# KiCad board FullsizeKeyboardPCB.kicad_pcb
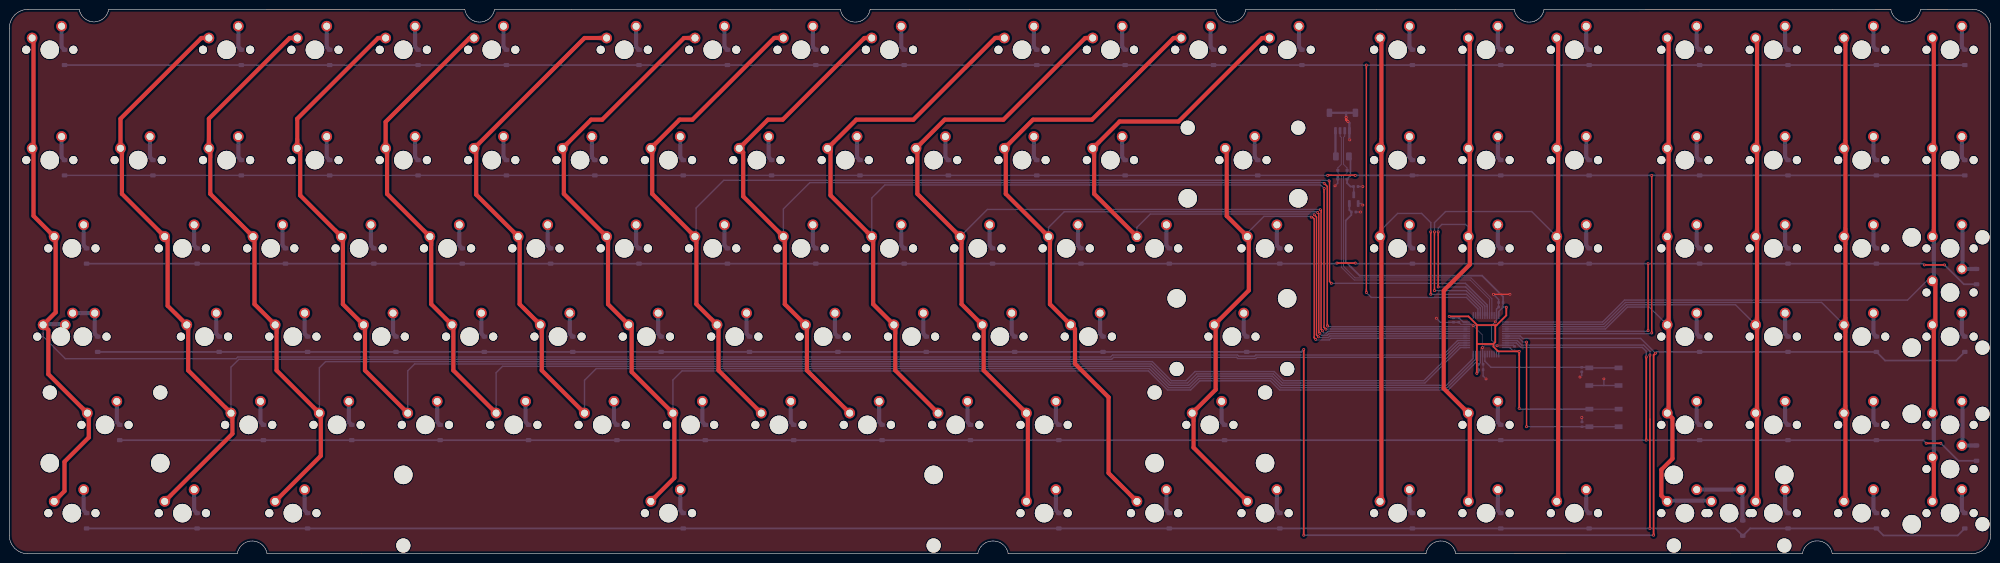
[diagram p0: board, top side]
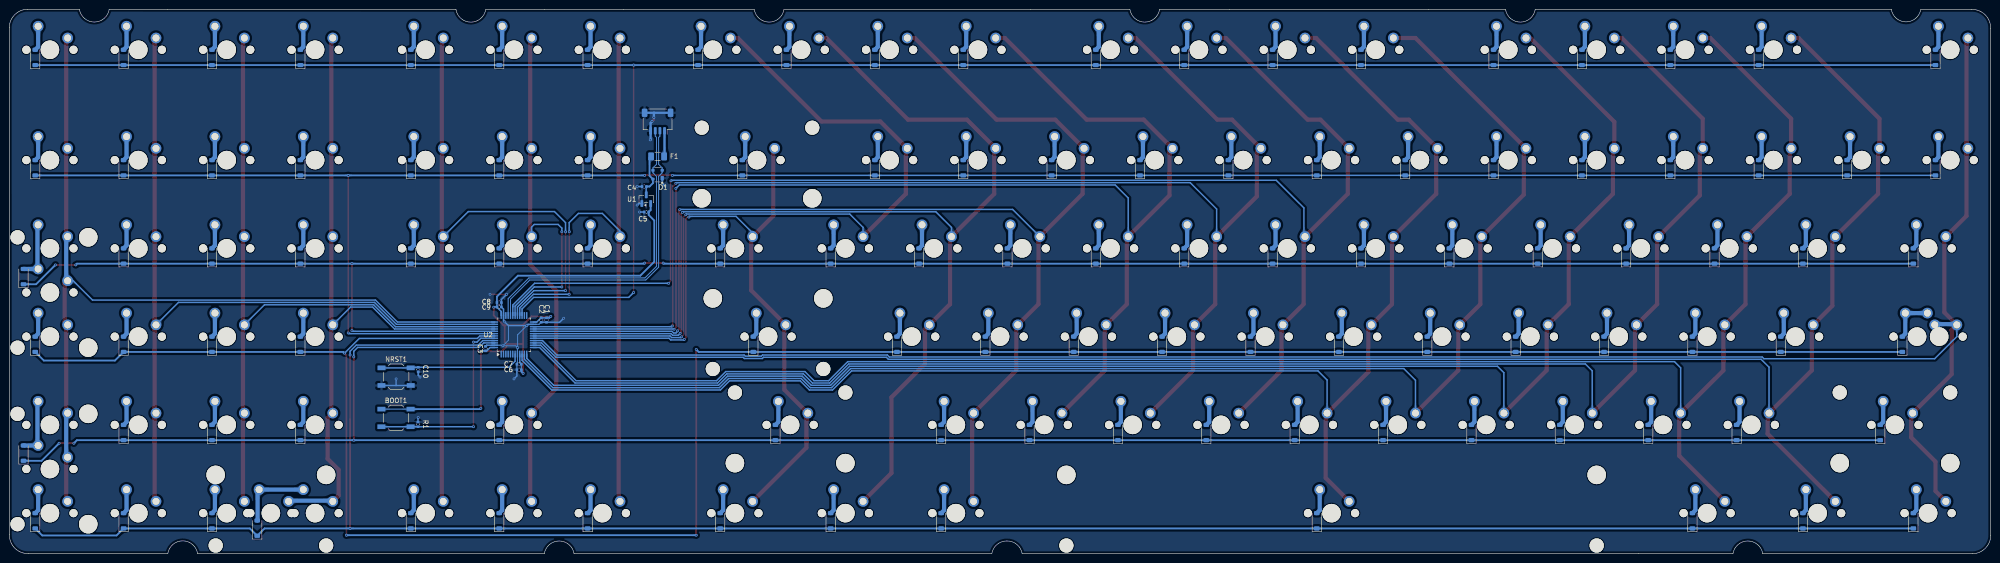
[diagram p1: board, bottom side, seen from below]

Outline 427.07 x 117.52 mm; copper layers: Top, Bottom. Coordinates in mm from the lower left corner of the outline.
Outline path: 0,4 0.02,113.4 arc(1.19,116.31) 4.11,117.48 15.08,117.49 ; 3.97,0 arc(1.16,1.18) 0,4 ; 15.08,117.49 arc(18.27,114.79) 21.43,117.5 98.17,117.49 arc(101.38,114.74) 104.58,117.49 121.25,117.48 164.15,117.49 179.14,117.49 arc(182.34,114.74) 185.54,117.49 206.97,117.48 260.1,117.49 arc(263.3,114.74) 266.5,117.49 294.65,117.49 311.75,117.48 324.38,117.49 arc(327.59,114.74) 330.8,117.48 392.91,117.5 405.53,117.51 arc(408.74,114.76) 411.96,117.5 423.07,117.52 arc(425.9,116.34) 427.07,113.52 427.05,4.12 arc(425.88,1.2) 422.96,0.03 392.91,0.03 arc(389.7,2.78) 386.48,0.03 311.76,0 arc(308.54,2.75) 305.33,0 215.31,0 arc(214.21,1.97) 212.1,2.75 ; 3.97,0 49.14,0 arc(52.35,2.75) 55.56,0 75.99,0 208.76,0 arc(209.9,2.01) 212.1,2.75
Stack: Top 0.035mm / dielectric 1.51mm FR4 er 4.5 / Bottom 0.035mm

## Placement (name value [footprint] x y rotation side)
BOOT1  SW_BOOT0  [SW_SPST_TL3342]  343.72 29.31 180 bottom
C1  4.7uF  [C_0402_1005Metric]  311.28 50.44 270 bottom
C2  100nF  [C_0402_1005Metric]  312.42 50.44 270 bottom
C3  100nF  [C_0402_1005Metric]  324.43 44.28 90 bottom
C4  1uF  [C_0402_1005Metric]  290.22 79.25 0 bottom
C5  1uF  [C_0402_1005Metric]  289.74 73.75 180 bottom
C6  1uF  [C_0402_1005Metric]  317.18 39.72 0 bottom
C7  100nF  [C_0402_1005Metric]  317.18 40.91 0 bottom
C8  4.7uF  [C_0402_1005Metric]  321.48 54.21 180 bottom
C9  100nF  [C_0402_1005Metric]  321.48 53.26 180 bottom
C10  100nF  [C_0402_1005Metric]  338.92 39.76 270 bottom
D1  PRTR5V0U2X  [SOT-143]  287.34 81.8 0 bottom
D2  D_Small  [D_SOD-123]  11.91 107.12 90 bottom
D3  D_Small  [D_SOD-123]  50.01 107.12 90 bottom
D4  D_Small  [D_SOD-123]  69.06 107.12 90 bottom
D5  D_Small  [D_SOD-123]  88.11 107.12 90 bottom
D6  D_Small  [D_SOD-123]  107.16 107.12 90 bottom
D7  D_Small  [D_SOD-123]  135.73 107.12 90 bottom
D8  D_Small  [D_SOD-123]  154.78 107.12 90 bottom
D9  D_Small  [D_SOD-123]  173.83 107.12 90 bottom
D10  D_Small  [D_SOD-123]  192.88 107.12 90 bottom
D11  D_Small  [D_SOD-123]  221.46 107.12 90 bottom
D12  D_Small  [D_SOD-123]  240.51 107.12 90 bottom
D13  D_Small  [D_SOD-123]  259.56 107.12 90 bottom
D14  D_Small  [D_SOD-123]  278.61 107.12 90 bottom
D15  D_Small  [D_SOD-123]  302.42 107.12 90 bottom
D16  D_Small  [D_SOD-123]  321.47 107.12 90 bottom
D17  D_Small  [D_SOD-123]  340.52 107.12 90 bottom
D18  D_Small  [D_SOD-123]  364.33 107.12 90 bottom
D19  D_Small  [D_SOD-123]  383.38 107.12 90 bottom
D20  D_Small  [D_SOD-123]  402.43 107.12 90 bottom
D21  D_Small  [D_SOD-123]  421.48 107.12 90 bottom
D22  D_Small  [D_SOD-123]  11.91 83.31 90 bottom
D23  D_Small  [D_SOD-123]  30.96 83.31 90 bottom
D24  D_Small  [D_SOD-123]  50.01 83.31 90 bottom
D25  D_Small  [D_SOD-123]  69.06 83.31 90 bottom
D26  D_Small  [D_SOD-123]  88.11 83.31 90 bottom
D27  D_Small  [D_SOD-123]  107.16 83.31 90 bottom
D28  D_Small  [D_SOD-123]  126.21 83.31 90 bottom
D29  D_Small  [D_SOD-123]  145.26 83.31 90 bottom
D30  D_Small  [D_SOD-123]  164.31 83.31 90 bottom
D31  D_Small  [D_SOD-123]  183.36 83.31 90 bottom
D32  D_Small  [D_SOD-123]  202.41 83.31 90 bottom
D33  D_Small  [D_SOD-123]  221.46 83.31 90 bottom
D34  D_Small  [D_SOD-123]  240.51 83.31 90 bottom
D35  D_Small  [D_SOD-123]  269.08 83.31 90 bottom
D36  D_Small  [D_SOD-123]  302.42 83.31 90 bottom
D37  D_Small  [D_SOD-123]  321.47 83.31 90 bottom
D38  D_Small  [D_SOD-123]  340.52 83.31 90 bottom
D39  D_Small  [D_SOD-123]  364.33 83.31 90 bottom
D40  D_Small  [D_SOD-123]  383.38 83.31 90 bottom
D41  D_Small  [D_SOD-123]  402.43 83.31 90 bottom
D42  D_Small  [D_SOD-123]  421.48 83.31 90 bottom
D43  D_Small  [D_SOD-123]  16.67 64.26 90 bottom
D44  D_Small  [D_SOD-123]  40.48 64.26 90 bottom
D45  D_Small  [D_SOD-123]  59.53 64.26 90 bottom
D46  D_Small  [D_SOD-123]  78.58 64.26 90 bottom
D47  D_Small  [D_SOD-123]  97.63 64.26 90 bottom
D48  D_Small  [D_SOD-123]  116.68 64.26 90 bottom
D49  D_Small  [D_SOD-123]  135.73 64.26 90 bottom
D50  D_Small  [D_SOD-123]  154.78 64.26 90 bottom
D51  D_Small  [D_SOD-123]  173.83 64.26 90 bottom
D52  D_Small  [D_SOD-123]  192.88 64.26 90 bottom
D53  D_Small  [D_SOD-123]  211.93 64.26 90 bottom
D54  D_Small  [D_SOD-123]  230.98 64.26 90 bottom
D55  D_Small  [D_SOD-123]  250.03 64.26 90 bottom
D56  D_Small  [D_SOD-123]  273.84 64.26 90 bottom
D57  D_Small  [D_SOD-123]  302.42 64.26 90 bottom
D58  D_Small  [D_SOD-123]  321.47 64.26 90 bottom
D59  D_Small  [D_SOD-123]  340.52 64.26 90 bottom
D60  D_Small  [D_SOD-123]  364.33 64.26 90 bottom
D61  D_Small  [D_SOD-123]  383.38 64.26 90 bottom
D62  D_Small  [D_SOD-123]  402.43 64.26 90 bottom
D64  D_Small  [D_SOD-123]  424.01 59.81 90 bottom
D65  D_Small  [D_SOD-123]  19.05 45.21 90 bottom
D67  D_Small  [D_SOD-123]  45.24 45.21 90 bottom
D68  D_Small  [D_SOD-123]  64.29 45.21 90 bottom
D69  D_Small  [D_SOD-123]  83.34 45.21 90 bottom
D70  D_Small  [D_SOD-123]  102.39 45.21 90 bottom
D71  D_Small  [D_SOD-123]  121.44 45.21 90 bottom
D72  D_Small  [D_SOD-123]  140.49 45.21 90 bottom
D73  D_Small  [D_SOD-123]  159.54 45.21 90 bottom
D74  D_Small  [D_SOD-123]  178.59 45.21 90 bottom
D75  D_Small  [D_SOD-123]  197.64 45.21 90 bottom
D76  D_Small  [D_SOD-123]  216.69 45.21 90 bottom
D77  D_Small  [D_SOD-123]  235.74 45.21 90 bottom
D78  D_Small  [D_SOD-123]  266.7 45.21 90 bottom
D79  D_Small  [D_SOD-123]  364.33 45.21 90 bottom
D80  D_Small  [D_SOD-123]  383.38 45.21 90 bottom
D81  D_Small  [D_SOD-123]  402.43 45.21 90 bottom
D82  D_Small  [D_SOD-123]  421.48 45.21 90 bottom
D83  D_Small  [D_SOD-123]  23.81 26.16 90 bottom
D84  D_Small  [D_SOD-123]  54.77 26.16 90 bottom
D85  D_Small  [D_SOD-123]  73.82 26.16 90 bottom
D86  D_Small  [D_SOD-123]  92.87 26.16 90 bottom
D87  D_Small  [D_SOD-123]  111.92 26.16 90 bottom
D88  D_Small  [D_SOD-123]  130.97 26.16 90 bottom
D89  D_Small  [D_SOD-123]  150.02 26.16 90 bottom
D90  D_Small  [D_SOD-123]  169.07 26.16 90 bottom
D91  D_Small  [D_SOD-123]  188.12 26.16 90 bottom
D92  D_Small  [D_SOD-123]  207.17 26.16 90 bottom
D93  D_Small  [D_SOD-123]  226.22 26.16 90 bottom
D94  D_Small  [D_SOD-123]  261.94 26.16 90 bottom
D95  D_Small  [D_SOD-123]  321.47 26.16 90 bottom
D96  D_Small  [D_SOD-123]  364.33 26.16 90 bottom
D97  D_Small  [D_SOD-123]  383.38 26.16 90 bottom
D98  D_Small  [D_SOD-123]  402.43 26.16 90 bottom
D100  D_Small  [D_SOD-123]  424.01 21.71 90 bottom
D101  D_Small  [D_SOD-123]  16.67 7.11 90 bottom
D102  D_Small  [D_SOD-123]  40.48 7.11 90 bottom
D103  D_Small  [D_SOD-123]  64.29 7.11 90 bottom
D104  D_Small  [D_SOD-123]  145.26 7.11 90 bottom
D105  D_Small  [D_SOD-123]  226.22 7.11 90 bottom
D106  D_Small  [D_SOD-123]  250.03 7.11 90 bottom
D107  D_Small  [D_SOD-123]  273.84 7.11 90 bottom
D108  D_Small  [D_SOD-123]  302.42 7.11 90 bottom
D109  D_Small  [D_SOD-123]  321.47 7.11 90 bottom
D110  D_Small  [D_SOD-123]  340.52 7.11 90 bottom
D112  D_Small  [D_SOD-123]  402.43 7.11 90 bottom
D113  D_Small  [D_SOD-123]  421.48 7.11 90 bottom
D114  D_Small  [D_SOD-123]  373.63 5.52 90 bottom
D115  D_Small  [D_SOD-123]  383.38 7.11 90 bottom
F1  500mA  [Fuse_1206_3216Metric]  287.34 85.75 0 bottom
J1  SM04B-SRSS-TB  [JST_SH_SM04B-SRSS-TB_1x04-1MP_P1.00mm_Horizontal]  287.34 93.3 0 bottom
MX1  MX_SW_solder  [SW_MX_1u]  8.73 108.77 0 top
MX2  MX_SW_solder  [SW_MX_1u]  46.83 108.77 0 top
MX3  MX_SW_solder  [SW_MX_1u]  65.88 108.77 0 top
MX4  MX_SW_solder  [SW_MX_1u]  84.93 108.77 0 top
MX5  MX_SW_solder  [SW_MX_1u]  103.98 108.77 0 top
MX6  MX_SW_solder  [SW_MX_1u]  132.56 108.77 0 top
MX7  MX_SW_solder  [SW_MX_1u]  151.61 108.77 0 top
MX8  MX_SW_solder  [SW_MX_1u]  170.66 108.77 0 top
MX9  MX_SW_solder  [SW_MX_1u]  189.71 108.77 0 top
MX10  MX_SW_solder  [SW_MX_1u]  218.28 108.77 0 top
MX11  MX_SW_solder  [SW_MX_1u]  237.33 108.77 0 top
MX12  MX_SW_solder  [SW_MX_1u]  256.38 108.77 0 top
MX13  MX_SW_solder  [SW_MX_1u]  275.43 108.77 0 top
MX14  MX_SW_solder  [SW_MX_1u]  299.24 108.77 0 top
MX15  MX_SW_solder  [SW_MX_1u]  318.29 108.77 0 top
MX16  MX_SW_solder  [SW_MX_1u]  337.34 108.77 0 top
MX17  MX_SW_solder  [SW_MX_1u]  361.16 108.77 0 top
MX18  MX_SW_solder  [SW_MX_1u]  380.21 108.77 0 top
MX19  MX_SW_solder  [SW_MX_1u]  399.26 108.77 0 top
MX20  MX_SW_solder  [SW_MX_1u]  418.31 108.77 0 top
MX21  MX_SW_solder  [SW_MX_1u]  8.73 84.96 0 top
MX22  MX_SW_solder  [SW_MX_1u]  27.78 84.96 0 top
MX23  MX_SW_solder  [SW_MX_1u]  46.83 84.96 0 top
MX24  MX_SW_solder  [SW_MX_1u]  65.88 84.96 0 top
MX25  MX_SW_solder  [SW_MX_1u]  84.93 84.96 0 top
MX26  MX_SW_solder  [SW_MX_1u]  103.98 84.96 0 top
MX27  MX_SW_solder  [SW_MX_1u]  123.03 84.96 0 top
MX28  MX_SW_solder  [SW_MX_1u]  142.08 84.96 0 top
MX29  MX_SW_solder  [SW_MX_1u]  161.13 84.96 0 top
MX30  MX_SW_solder  [SW_MX_1u]  180.18 84.96 0 top
MX31  MX_SW_solder  [SW_MX_1u]  199.23 84.96 0 top
MX32  MX_SW_solder  [SW_MX_1u]  218.28 84.96 0 top
MX33  MX_SW_solder  [SW_MX_1u]  237.33 84.96 0 top
MX34  MX_SW_solder  [SW_MX_1u]  265.91 84.96 0 top
MX35  MX_SW_solder  [SW_MX_1u]  299.24 84.96 0 top
MX36  MX_SW_solder  [SW_MX_1u]  318.29 84.96 0 top
MX37  MX_SW_solder  [SW_MX_1u]  337.34 84.96 0 top
MX38  MX_SW_solder  [SW_MX_1u]  361.16 84.96 0 top
MX39  MX_SW_solder  [SW_MX_1u]  380.21 84.96 0 top
MX40  MX_SW_solder  [SW_MX_1u]  399.26 84.96 0 top
MX41  MX_SW_solder  [SW_MX_1u]  418.31 84.96 0 top
MX42  MX_SW_solder  [SW_MX_1.5u]  13.49 65.91 0 top
MX43  MX_SW_solder  [SW_MX_1u]  37.31 65.91 0 top
MX44  MX_SW_solder  [SW_MX_1u]  56.36 65.91 0 top
MX45  MX_SW_solder  [SW_MX_1u]  75.41 65.91 0 top
MX46  MX_SW_solder  [SW_MX_1u]  94.46 65.91 0 top
MX47  MX_SW_solder  [SW_MX_1u]  113.51 65.91 0 top
MX48  MX_SW_solder  [SW_MX_1u]  132.56 65.91 0 top
MX49  MX_SW_solder  [SW_MX_1u]  151.61 65.91 0 top
MX50  MX_SW_solder  [SW_MX_1u]  170.66 65.91 0 top
MX51  MX_SW_solder  [SW_MX_1u]  189.71 65.91 0 top
MX52  MX_SW_solder  [SW_MX_1u]  208.76 65.91 0 top
MX53  MX_SW_solder  [SW_MX_1u]  227.81 65.91 0 top
MX54  MX_SW_solder  [SW_MX_1u]  246.86 65.91 0 top
MX55  MX_SW_solder  [SW_MX_1.5u]  270.67 65.91 0 top
MX56  MX_SW_solder  [SW_MX_1u]  299.24 65.91 0 top
MX57  MX_SW_solder  [SW_MX_1u]  318.29 65.91 0 top
MX58  MX_SW_solder  [SW_MX_1u]  337.34 65.91 0 top
MX59  MX_SW_solder  [SW_MX_1u]  361.16 65.91 0 top
MX60  MX_SW_solder  [SW_MX_1u]  380.21 65.91 0 top
MX61  MX_SW_solder  [SW_MX_1u]  399.26 65.91 0 top
MX62  MX_SW_solder  [SW_MX_1u]  418.31 56.39 0 top
MX63  MX_SW_solder  [SW_MX_1u]  418.31 65.91 0 top
MX64  MX_SW_solder  [SW_MX_1.75u]  15.88 46.86 0 top
MX65  MX_SW_solder  [SW_MX_1.75u_STP_1.25]  11.11 46.86 0 top
MX66  MX_SW_solder  [SW_MX_1u]  42.07 46.86 0 top
MX67  MX_SW_solder  [SW_MX_1u]  61.12 46.86 0 top
MX68  MX_SW_solder  [SW_MX_1u]  80.17 46.86 0 top
MX69  MX_SW_solder  [SW_MX_1u]  99.22 46.86 0 top
MX70  MX_SW_solder  [SW_MX_1u]  118.27 46.86 0 top
MX71  MX_SW_solder  [SW_MX_1u]  137.32 46.86 0 top
MX72  MX_SW_solder  [SW_MX_1u]  156.37 46.86 0 top
MX73  MX_SW_solder  [SW_MX_1u]  175.42 46.86 0 top
MX74  MX_SW_solder  [SW_MX_1u]  194.47 46.86 0 top
MX75  MX_SW_solder  [SW_MX_1u]  213.52 46.86 0 top
MX76  MX_SW_solder  [SW_MX_1u]  232.57 46.86 0 top
MX77  MX_SW_solder  [SW_MX_1u]  263.52 46.86 0 top
MX78  MX_SW_solder  [SW_MX_1u]  361.16 46.86 0 top
MX79  MX_SW_solder  [SW_MX_1u]  380.21 46.86 0 top
MX80  MX_SW_solder  [SW_MX_1u]  399.26 46.86 0 top
MX81  MX_SW_solder  [SW_MX_1u]  418.31 46.86 0 top
MX82  MX_SW_solder  [SW_MX_1u]  20.64 27.81 0 top
MX83  MX_SW_solder  [SW_MX_1u]  51.59 27.81 0 top
MX84  MX_SW_solder  [SW_MX_1u]  70.64 27.81 0 top
MX85  MX_SW_solder  [SW_MX_1u]  89.69 27.81 0 top
MX86  MX_SW_solder  [SW_MX_1u]  108.74 27.81 0 top
MX87  MX_SW_solder  [SW_MX_1u]  127.79 27.81 0 top
MX88  MX_SW_solder  [SW_MX_1u]  146.84 27.81 0 top
MX89  MX_SW_solder  [SW_MX_1u]  165.89 27.81 0 top
MX90  MX_SW_solder  [SW_MX_1u]  184.94 27.81 0 top
MX91  MX_SW_solder  [SW_MX_1u]  203.99 27.81 0 top
MX92  MX_SW_solder  [SW_MX_1u]  223.04 27.81 0 top
MX93  MX_SW_solder  [SW_MX_1u]  258.76 27.81 0 top
MX94  MX_SW_solder  [SW_MX_1u]  318.29 27.81 0 top
MX95  MX_SW_solder  [SW_MX_1u]  361.16 27.81 0 top
MX96  MX_SW_solder  [SW_MX_1u]  380.21 27.81 0 top
MX97  MX_SW_solder  [SW_MX_1u]  399.26 27.81 0 top
MX98  MX_SW_solder  [SW_MX_1u]  418.31 18.29 0 top
MX99  MX_SW_solder  [SW_MX_1u]  418.31 27.81 0 top
MX100  MX_SW_solder  [SW_MX_1.5u]  13.49 8.76 0 top
MX101  MX_SW_solder  [SW_MX_1u]  37.31 8.76 0 top
MX102  MX_SW_solder  [SW_MX_1.5u]  61.12 8.76 0 top
MX103  MX_SW_solder  [SW_MX_1u]  142.08 8.76 0 top
MX104  MX_SW_solder  [SW_MX_1.5u]  223.04 8.76 0 top
MX105  MX_SW_solder  [SW_MX_1u]  246.86 8.76 0 top
MX106  MX_SW_solder  [SW_MX_1.5u]  270.67 8.76 0 top
MX107  MX_SW_solder  [SW_MX_1u]  299.24 8.76 0 top
MX108  MX_SW_solder  [SW_MX_1u]  318.29 8.76 0 top
MX109  MX_SW_solder  [SW_MX_1u]  337.34 8.76 0 top
MX110  MX_SW_solder  [SW_MX_1u]  370.68 8.76 0 top
MX111  MX_SW_solder  [SW_MX_1u]  399.26 8.76 0 top
MX112  MX_SW_solder  [SW_MX_1u]  418.31 8.76 0 top
MX113  MX_SW_solder  [SW_MX_1u]  361.16 8.76 0 top
MX114  MX_SW_solder  [SW_MX_1u]  380.21 8.76 0 top
NRST1  SW_NRST  [SW_SPST_TL3342]  343.69 38.21 180 bottom
R1  10k  [R_0402_1005Metric]  338.98 27.92 90 bottom
S1  MX_stab  [STAB_MX_2.25u]  20.64 27.81 0 top
S2  MX_stab  [STAB_MX_7u]  142.08 8.76 180 top
S3  MX_stab  [STAB_MX_2.75u]  258.76 27.81 0 top
S4  MX_stab  [STAB_MX_2.25u]  263.52 46.86 180 top
S5  MX_stab  [STAB_MX_2u]  265.91 84.96 0 top
S6  MX_stab  [STAB_MX_2u]  370.68 8.76 180 top
S7  MX_stab  [STAB_MX_2u]  418.31 18.29 270 top
S8  MX_stab  [STAB_MX_2u]  418.31 56.39 270 top
U1  XC6206P332MR  [SOT-23]  289.78 76.52 90 bottom
U2  STM32F072CBT6  [LQFP-48_7x7mm_P0.5mm]  318.29 47.26 90 bottom

## Library data of the parts
BOOT1 NRST1 = -: Description: Push button switch, generic, two pins
C1 C8 = -: KiLib_Generator: SMD_2terminal_chip_molded; LCSC: C23733; MPN: CL05A475MP5NRNC; ki_fp_filters: C_*
C2 C3 C7 C9 = -: KiLib_Generator: SMD_2terminal_chip_molded; LCSC: C1525; MPN: CL05B104KO5NNNC; ki_fp_filters: C_*
C4-C6 = -: KiLib_Generator: SMD_2terminal_chip_molded; LCSC: C52923; MPN: CL05A105KA5NQNC; ki_fp_filters: C_*
C10 = -: Description: Unpolarized capacitor, small symbol; KiLib_Generator: SMD_2terminal_chip_molded; ki_fp_filters: C_*
D1 = -: Datasheet: https://assets.nexperia.com/documents/data-sheet/PRTR5V0U2X.pdf; LCSC: C2827688; ki_fp_filters: SOT?143*
D2-D62 D64 D65 D67-D98 D100-D110 D112-D115 = -: Description: Diode, small symbol; Sim.Device: D; Sim.Pins: 1=K 2=A; ki_fp_filters: TO-???* *_Diode_* *SingleDiode* D_*
F1 = -: Description: Fuse, small symbol; KiLib_Generator: SMD_2terminal_chip_molded; ki_fp_filters: *Fuse*
J1 = -: KiLib_Generator: connector/SMD_single_row_plus_mounting_pad; LCSC: C160404; MPN: SM04B-SRSS-TB(LF)(SN); ki_fp_filters: Connector*:*_1x??-1MP*
MX1-MX114 = -: Description: Push button switch, normally open, two pins, 45° tilted
R1 = -: Description: Resistor, small symbol; KiLib_Generator: SMD_2terminal_chip_molded; ki_fp_filters: R_*
S1-S8 = -: Description: Cherry MX-style stabilizer
U1 = -: Datasheet: https://www.torexsemi.com/file/xc6206/XC6206.pdf; KiLib_Generator: package/gullwing; LCSC: C5446; MPN: XC6206P332MR-G; ki_fp_filters: SOT?23?3*
U2 = -: Datasheet: http://www.st.com/st-web-ui/static/active/en/resource/technical/document/datasheet/DM00090510.pdf; KiLib_Generator: package/gullwing; LCSC: C81720; ki_fp_filters: LQFP*7x7mm*P0.5mm*

## Footprints (pads in the part's own frame, mm; a bottom-side part is the same pattern mirrored in y, then rotated)
C_0402_1005Metric
  rrect 0.56x0.62 smd: 1(-0.48,0) 2(0.48,0)
D_SOD-123
  rrect 0.9x1.2 smd: 1(-1.65,0) 2(1.65,0)
Fuse_1206_3216Metric
  rrect 1.25x1.75 smd: 1(-1.4,0) 2(1.4,0)
JST_SH_SM04B-SRSS-TB_1x04-1MP_P1.00mm_Horizontal
  rrect 0.6x1.55 smd: 1(-1.5,2) 2(-0.5,2) 3(0.5,2) 4(1.5,2)
  rrect 1.2x1.8 smd: MP(-2.8,-1.875) MP(2.8,-1.875)
LQFP-48_7x7mm_P0.5mm
  rrect 1.475x0.3 smd: 1(-4.162,2.75) 2(-4.162,2.25) 3(-4.162,1.75) 4(-4.162,1.25) 5(-4.162,0.75) 6(-4.162,0.25) 7(-4.162,-0.25) 8(-4.162,-0.75) 9(-4.162,-1.25) 10(-4.162,-1.75) 11(-4.162,-2.25) 12(-4.162,-2.75) 25(4.162,-2.75) 26(4.162,-2.25) 27(4.162,-1.75) 28(4.162,-1.25) 29(4.162,-0.75) 30(4.162,-0.25) 31(4.162,0.25) 32(4.162,0.75) 33(4.162,1.25) 34(4.162,1.75) 35(4.162,2.25) 36(4.162,2.75)
  rrect 0.3x1.475 smd: 13(-2.75,-4.162) 14(-2.25,-4.162) 15(-1.75,-4.162) 16(-1.25,-4.162) 17(-0.75,-4.162) 18(-0.25,-4.162) 19(0.25,-4.162) 20(0.75,-4.162) 21(1.25,-4.162) 22(1.75,-4.162) 23(2.25,-4.162) 24(2.75,-4.162) 37(2.75,4.162) 38(2.25,4.162) 39(1.75,4.162) 40(1.25,4.162) 41(0.75,4.162) 42(0.25,4.162) 43(-0.25,4.162) 44(-0.75,4.162) 45(-1.25,4.162) 46(-1.75,4.162) 47(-2.25,4.162) 48(-2.75,4.162)
R_0402_1005Metric
  rrect 0.54x0.64 smd: 1(-0.51,0) 2(0.51,0)
SOT-23
  rrect 1.475x0.6 smd: 1(-0.938,0.95) 2(-0.938,-0.95) 3(0.938,0)
SOT-143
  rrect 0.7x1 smd: 1(-1,0.75)
  rrect 0.7x0.6 smd: 2(-1,-0.95) 3(1,-0.95) 4(1,0.95)
STAB_MX_2.25u
  round 3.048 hole 3.048 unplated: (-11.906,6.985) (11.906,6.985)
  round 3.988 hole 3.988 unplated: (-11.906,-8.255) (11.906,-8.255)
STAB_MX_2.75u
  round 3.048 hole 3.048 unplated: (-11.906,6.985) (11.906,6.985)
  round 3.988 hole 3.988 unplated: (-11.906,-8.255) (11.906,-8.255)
STAB_MX_2u
  round 3.988 hole 3.988 unplated: (-11.906,-8.255) (11.906,-8.255)
  round 3.048 hole 3.048 unplated: (-11.906,6.985) (11.906,6.985)
STAB_MX_7u
  round 3.048 hole 3.048 unplated: (-57.15,6.985) (57.15,6.985)
  round 3.988 hole 3.988 unplated: (-57.15,-8.255) (57.15,-8.255)
SW_MX_1.5u
  round 1.75 hole 1.75 unplated: (-5.08,0) (5.08,0)
  round 3.988 hole 3.988 unplated: (0,0)
  round 2.3 hole 1.524: 1(-3.81,2.54) 2(2.54,5.08)
SW_MX_1.75u
  round 1.75 hole 1.75 unplated: (-5.08,0) (5.08,0)
  round 3.988 hole 3.988 unplated: (0,0)
  round 2.3 hole 1.524: 1(-3.81,2.54) 2(2.54,5.08)
SW_MX_1.75u_STP_1.25
  round 1.75 hole 1.75 unplated: (-5.08,0) (5.08,0)
  round 3.988 hole 3.988 unplated: (0,0)
  round 2.3 hole 1.524: 1(-3.81,2.54) 2(2.54,5.08)
SW_MX_1u
  round 1.75 hole 1.75 unplated: (-5.08,0) (5.08,0)
  round 3.988 hole 3.988 unplated: (0,0)
  round 2.3 hole 1.524: 1(-3.81,2.54) 2(2.54,5.08)
SW_SPST_TL3342
  rect 1.7x1 smd: 1(-3.15,1.9) 1(3.15,1.9) 2(-3.15,-1.9) 2(3.15,-1.9)
